# Altium PCB IPO1_V0.01.PcbDoc (part 1 of 2)
Units mm, origin at the board's own origin, x right, y up, seen from the top; angles counter-clockwise.
Board outline 149.4 x 91.43 mm, 2 copper layers (Top Layer, Bottom Layer), stack 1.671 mm thick; 235 components, 157 nets, 687 pads, 150 vias.
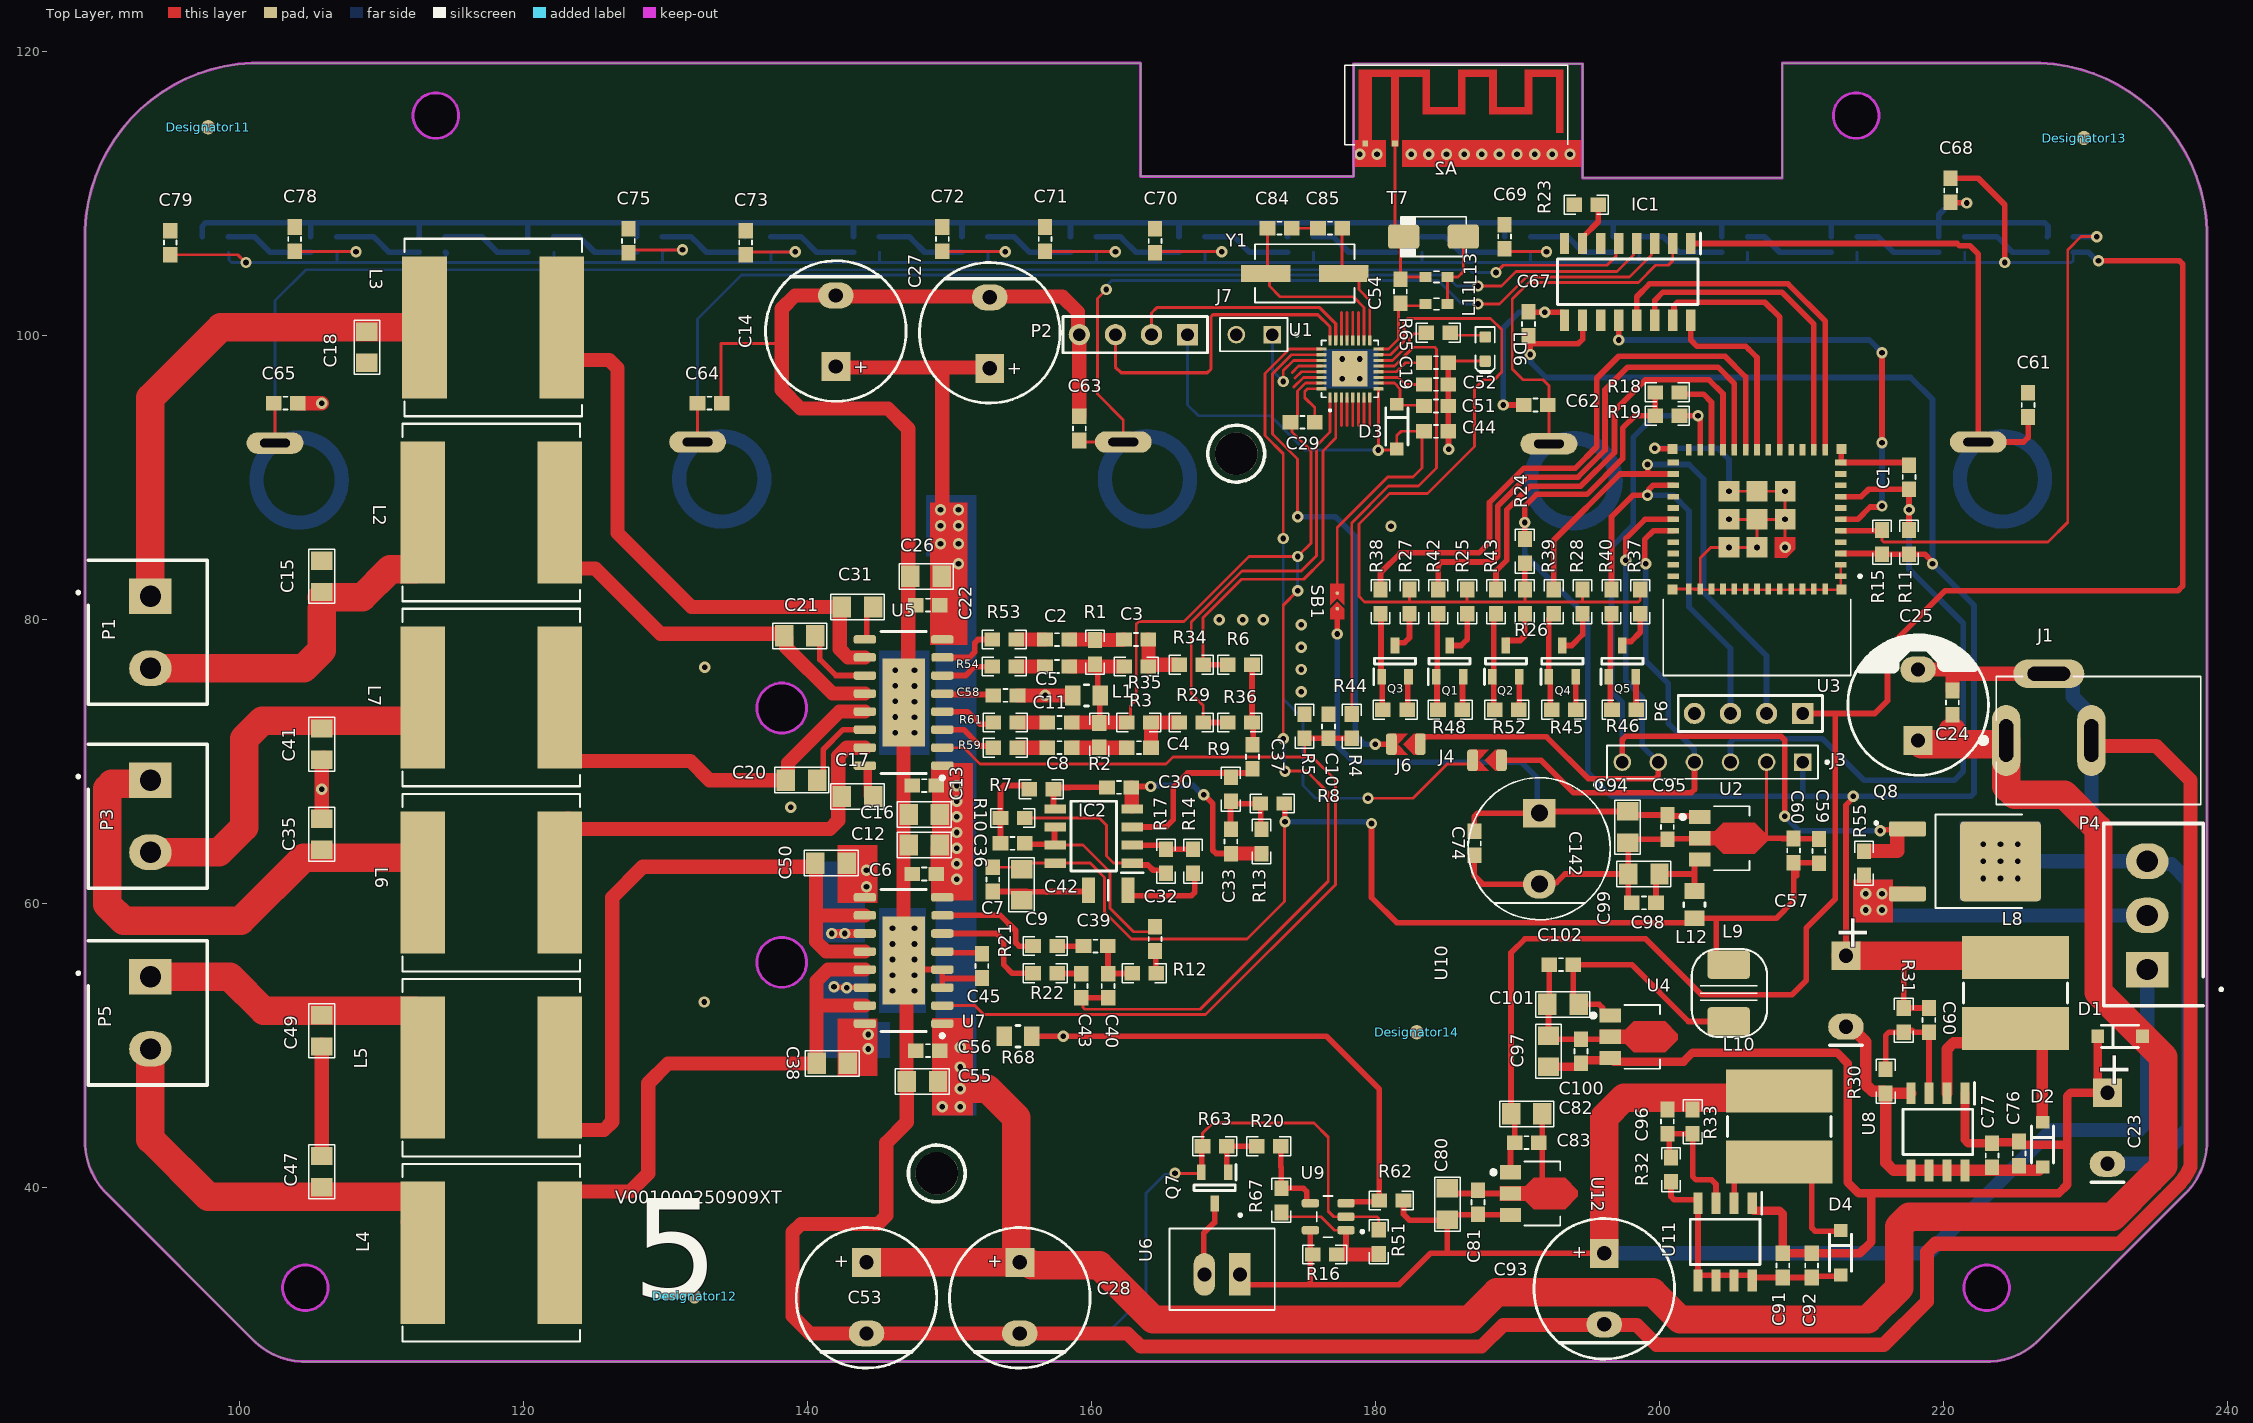
[diagram p0: Top Layer view]
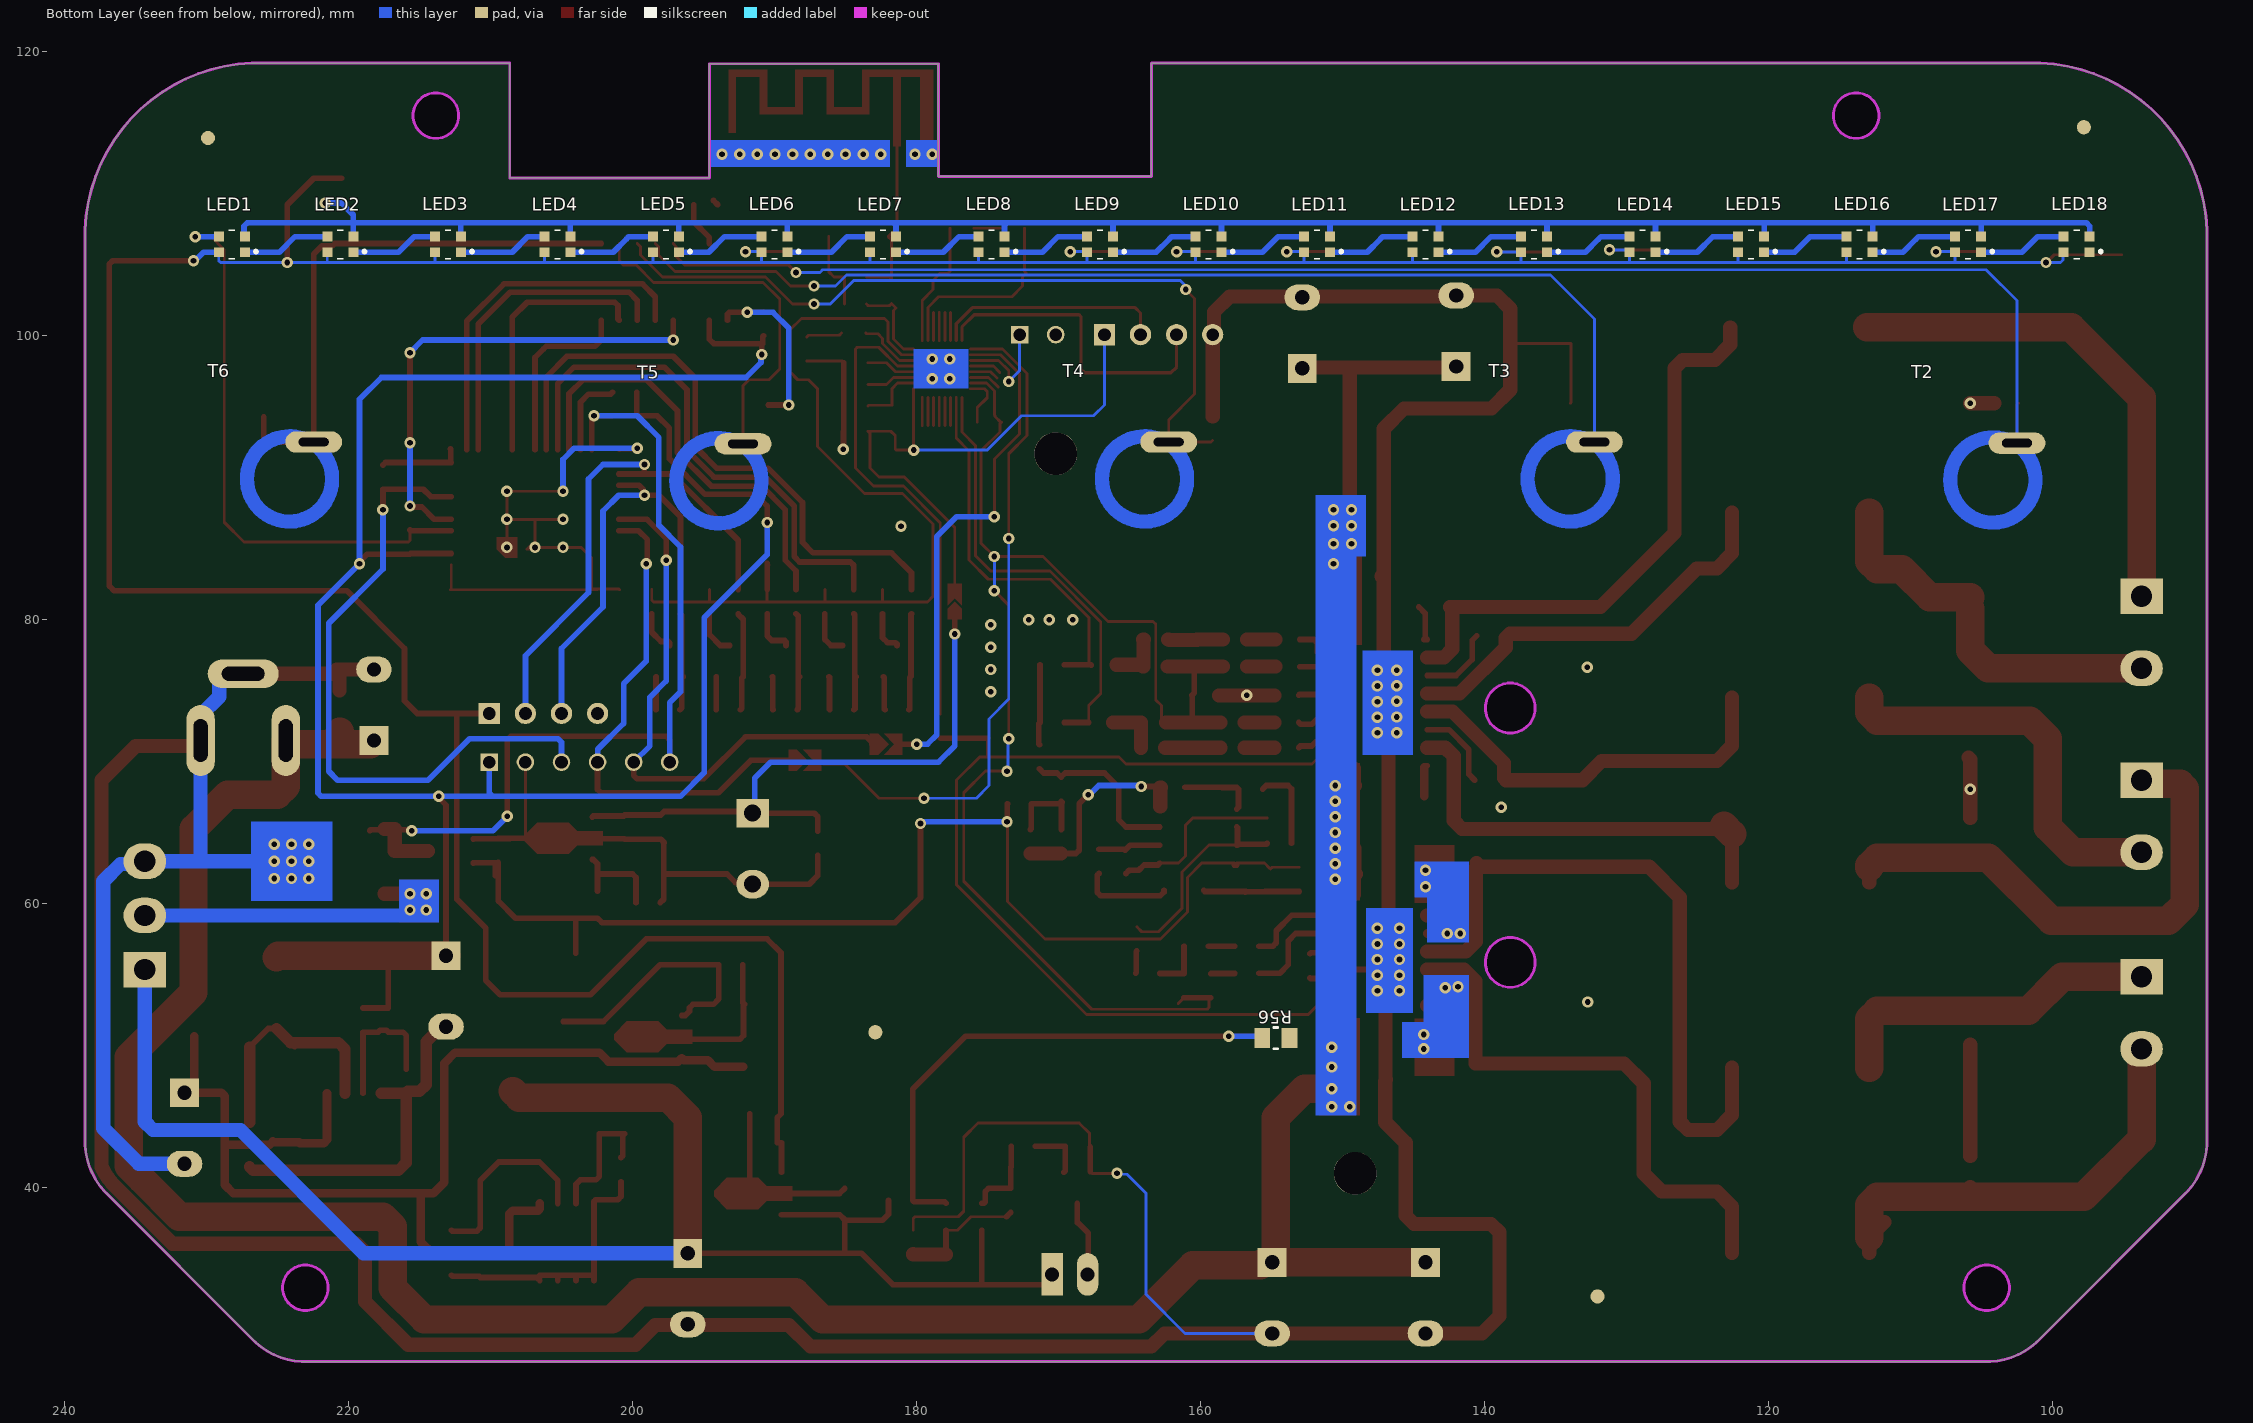
[diagram p1: Bottom Layer view, seen from below]
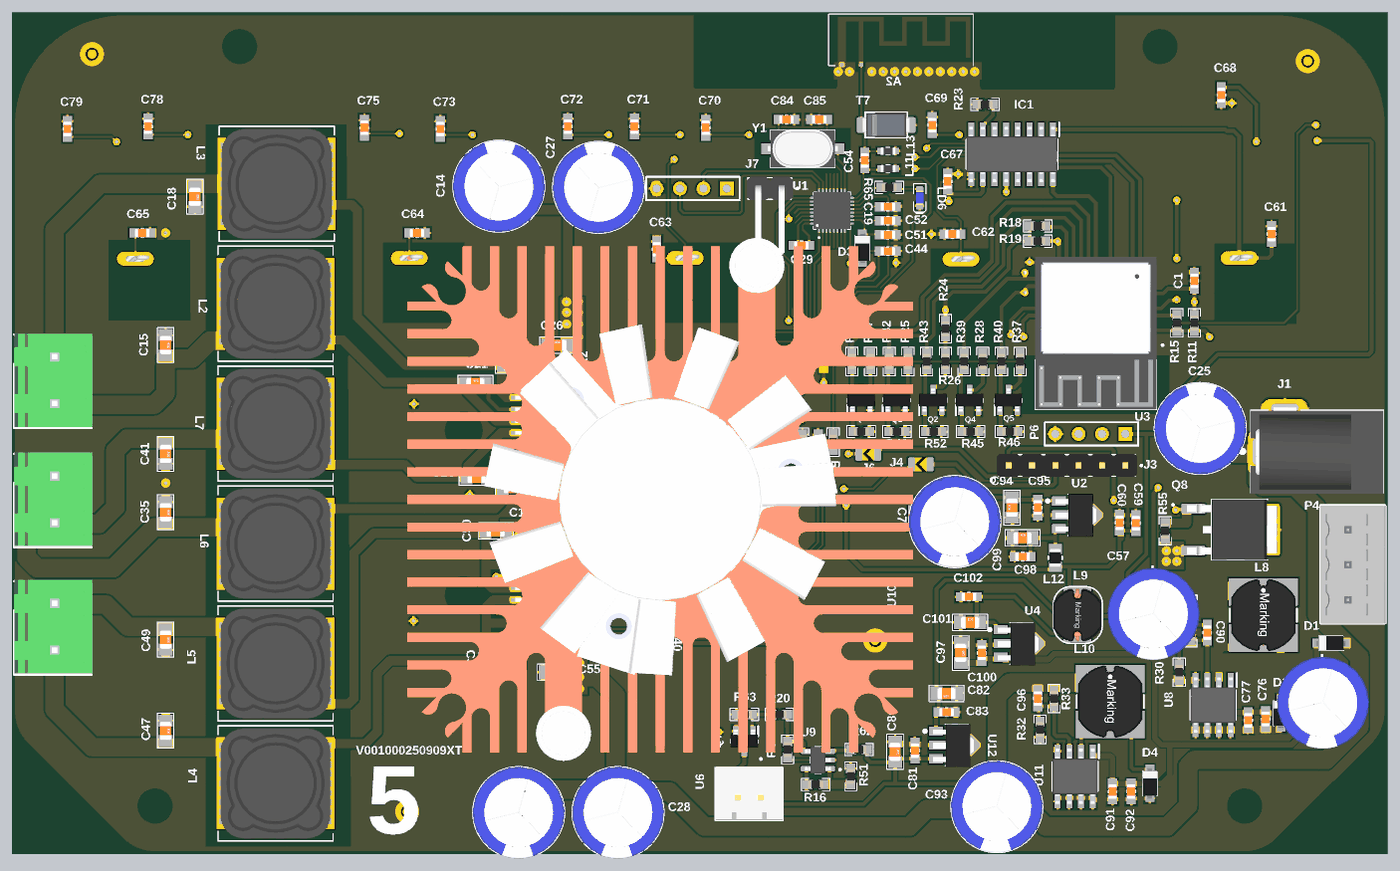
[diagram p3: 3D render of the assembled board from above, using the file's embedded part models]
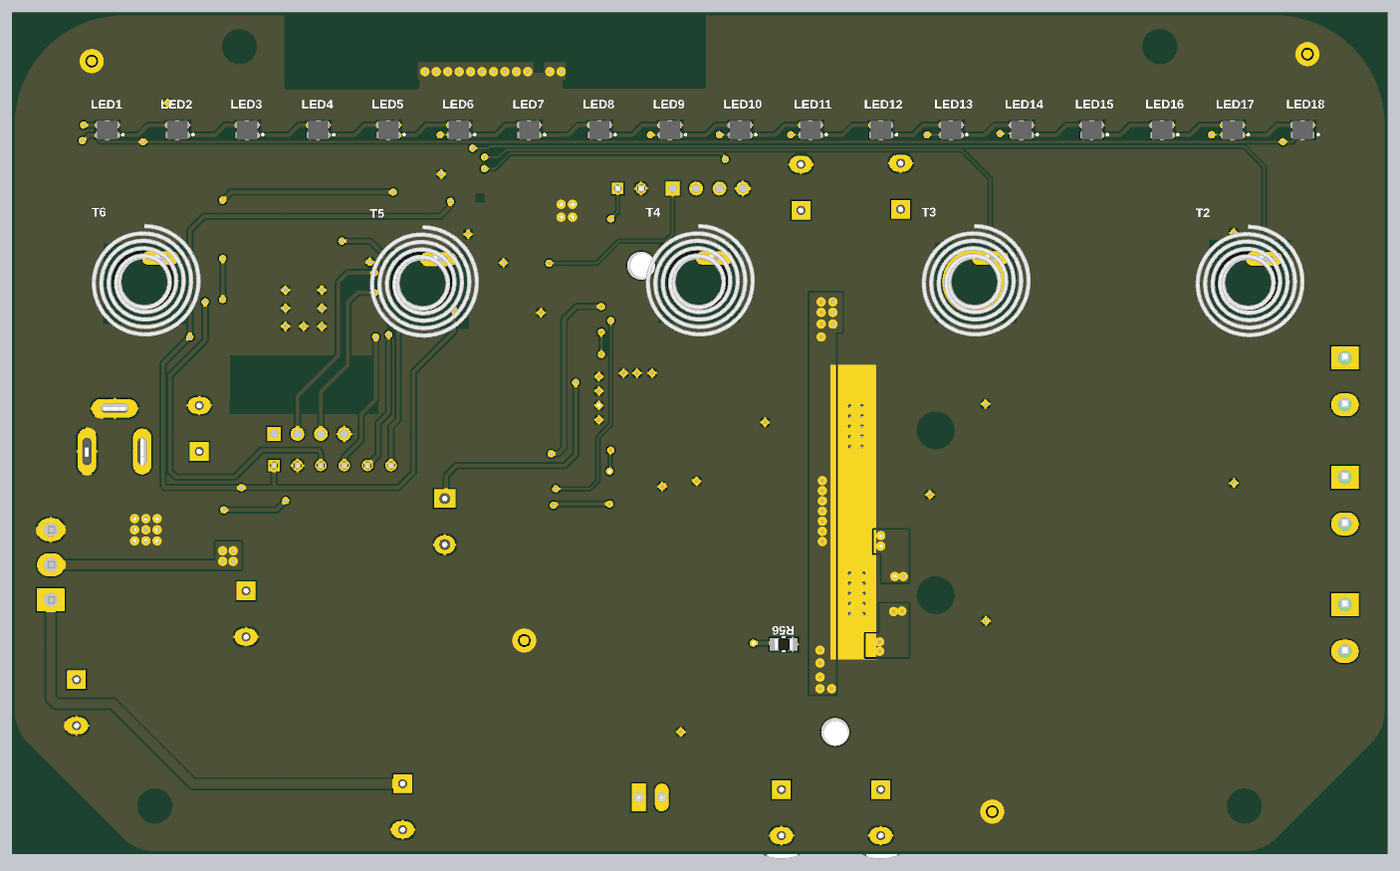
[diagram p4: 3D render of the assembled board from below, using the file's embedded part models]

## Layer stack, top to bottom
Top Solder: solder mask 0.0102, Solder Resist, Dk 3.5
Top Layer: signal copper 0.0356
Dielectric 1: dielectric 1.6, FR-4, Dk 1.6
Bottom Layer: signal copper 0.0356
Bottom Solder: solder mask 0.0102, Solder Resist, Dk 3.5

## Board outline
89.617,41.054 89.421,41.526 89.273,42.015 89.173,42.516 89.123,43.025 89.123,43.28 89.123,106.998 89.123,107.478 89.199,108.434 89.349,109.38 89.572,110.313 89.869,111.224 90.235,112.11 90.671,112.964 91.172,113.782 91.735,114.557 92.358,115.286 93.036,115.964 93.765,116.587 94.54,117.15 95.358,117.651 96.212,118.087 97.098,118.454 98.009,118.75 98.942,118.974 99.889,119.124 100.844,119.199 163.442,119.199 163.442,111.221 178.442,111.221 178.442,119.144 194.564,119.144 194.564,111.112 208.621,111.112 208.621,119.199 226.803,119.199 227.759,119.124 228.706,118.974 229.638,118.75 230.55,118.454 231.435,118.087 232.29,117.651 233.107,117.15 233.883,116.587 234.612,115.964 235.29,115.286 235.912,114.557 236.476,113.782 236.977,112.964 237.412,112.11 237.779,111.224 238.075,110.313 238.299,109.38 238.449,108.434 238.524,107.478 238.524,106.998 238.524,43.28 238.524,43.025 238.474,42.516 238.374,42.015 238.226,41.526 238.03,41.054 237.79,40.603 237.506,40.179 237.182,39.784 237.001,39.603 226.687,29.289 226.507,29.109 226.112,28.784 225.687,28.501 225.236,28.26 224.764,28.064 224.275,27.916 223.774,27.816 223.265,27.766 223.01,27.766 104.382,27.766 103.873,27.816 103.372,27.916 102.883,28.064 102.411,28.26 101.961,28.501 101.536,28.784 101.141,29.109 100.96,29.289 90.646,39.603 90.466,39.784 90.142,40.179 89.858,40.603
cut-out: 136.426,73.787 ccw(c138.176,73.787) 138.176,72.037 ccw(c138.176,73.787) 139.926,73.787 ccw(c138.176,73.787) 138.176,75.537 ccw(c138.176,73.787)
cut-out: 136.426,55.88 cw(c138.176,55.88) 138.176,57.63 cw(c138.176,55.88) 139.926,55.88 cw(c138.176,55.88) 138.176,54.13 cw(c138.176,55.88)
cut-out: 112.224,115.498 ccw(c113.824,115.498) 113.824,113.898 ccw(c113.824,115.498) 115.424,115.498 ccw(c113.824,115.498) 113.824,117.098 ccw(c113.824,115.498)
cut-out: 212.224,115.498 ccw(c213.824,115.498) 213.824,113.898 ccw(c213.824,115.498) 215.424,115.498 ccw(c213.824,115.498) 213.824,117.098 ccw(c213.824,115.498)
cut-out: 103.037,32.966 cw(c104.637,32.966) 104.637,34.566 cw(c104.637,32.966) 106.237,32.966 cw(c104.637,32.966) 104.637,31.366 cw(c104.637,32.966)
cut-out: 221.41,32.966 ccw(c223.01,32.966) 223.01,31.366 ccw(c223.01,32.966) 224.61,32.966 ccw(c223.01,32.966) 223.01,34.566 ccw(c223.01,32.966)

## Design rules (kind name [scope] priority, off if disabled: settings)
Clearance [All] p1: gap=0.2 ignorepadtopadclearanceinfootprint=FALSE except(0.18: Arc-Arc Arc-Track Arc-SMDPad Track-Track Track-SMDPad SMDPad-SMDPad)
FanoutControl Fanout_Default [All] p1: bgadir=Out bgaviamode=Centered fanoutstyle=Auto fanoutdirection=Alternating viagrid=0.025 // Fanout_Default (Default Rule)
FanoutControl Fanout_Small [(CompPinCount < 5)] p2: bgadir=Out bgaviamode=Centered fanoutstyle=Auto fanoutdirection=OutThenIn viagrid=0.025 // Fanout_Small (Default Rule)
FanoutControl Fanout_LCC [IsLCC] p4: bgadir=Out bgaviamode=Centered fanoutstyle=Auto fanoutdirection=Alternating viagrid=0.025 // Fanout_LCC (Default Rule)
FanoutControl Fanout_BGA [IsBGA] p5: bgadir=Out bgaviamode=Centered fanoutstyle=Auto fanoutdirection=Alternating viagrid=0.025 // Fanout_BGA (Default Rule)
PolygonConnect [All] p1: connectstyle=Relief reliefconductorwidth=0.254 reliefentries=4 polygonreliefangle="90 Angle" airgapwidth=0.254
RoutingVias [All] p1: holewidth=0.4 width=0.8 viastyle="Through Hole" minholewidth=0.4 minwidth=0.8 maxholewidth=0.4 maxwidth=0.8
SolderMaskExpansion [All] p1: expansion=0.102 istentingtop=FALSE
Width [All] p1: maxlimit=2 minlimit=0.2 preferedwidth=0.4
26 further rules are at their usual default settings.

## Classes and differential pairs
component class TouchORkey: C1 C61 C62 C63 C64 C65 C67 C68 C69 C70 C71 C72 C73 C75 C78 C79 IC1 J3 jc LED1 LED2 LED3 LED4 LED5 LED6 LED7 LED8 LED9 LED10 LED11 LED12 LED13 LED14 LED15 LED16 LED17 LED18 P4 P6 Q1 Q2 Q3 Q4 Q5 Q8 R11 R15 R18 R19 R23 R24 R25 R26 R27 R28 R37 R38 R39 R40 R42 R43 R44 R45 R46 R48 R52 R55 T2 T3 T4 T5 T6 U3
component class Amplifier: C2 C3 C4 C5 C6 C7 C8 C10 C11 C12 C13 C14 C15 C16 C17 C18 C20 C21 C22 C24 C25 C26 C27 C28 C30 C31 C32 C33 C35 C36 C37 C38 C39 C40 C41 C42 C43 C45 C47 C49 C50 C53 C55 C56 C58 IC2 L1 L2 L3 L4 L5 L6 L7 P1 P3 P5 Q7 R1 R2 R3 R4 R5 R6 R7 R8 R9 R10 R12 R13 R14 R16 R17 R20 R21 R22 R29 R34 R35 R36 R51 R53 R54 R56 R59 R61 R62 R63 R67 R68 U5 U6 u6 U7 U9 U10
component class POWER: C23 C57 C59 C60 C74 C76 C77 C80 C81 C82 C83 C90 C91 C92 C93 C94 C95 C96 C97 C98 C99 C100 C101 C102 C142 D1 D2 D4 J1 L8 L9 L10 L12 R30 R31 R32 R33 SB1 U2 U4 u6 U8 U11 U12
component class Bluetooth: 1 A2 C19 C29 C44 C51 C52 C54 C84 C85 D3 J4 J6 J7 L11 L13 LD6 P2 R65 T7 U1 Y1

## Components (designator, comment, footprint, x,y, rotation, side; value= is the part's Value field where it differs from the comment)
A2 "ANTENNA 2.4GHZ" "ANTENNA 2.4GHZ - TI" 181.306,113.338 r0 top
C1 "1u" cap0603 217.551,90.043 r270 top value=104
C2 "2.2u" cap0603 157.564,78.608 r180 top
C3 "100n" cap0603 163.123,78.613 r0 top value=104
C4 "100n" cap0603 163.322,70.993 r0 top value=104
C5 "2.2u" cap0603 157.564,76.708 r0 top
C6 "100n" cap0603 148.209,62.103 r180 top
C7 "100n" cap0603 153.035,61.722 r90 top
C8 "2.2u" cap0603 157.734,70.993 r0 top
C9 "10u" "CAP 0805" 155.067,61.341 r270 top value=104 (schematic designator C12)
C10 "2.2u" cap0603 176.676,72.498 r270 top value=104
C11 "2.2u" cap0603 157.734,72.771 r0 top
C12 "10u" "CAP 0805" 148.209,64.135 r0 top value=104
C13 "100n" cap0603 148.209,68.326 r180 top
C14 "1000u/25v" "CAP DIP 10*13" 141.986,100.33 r180 top
C15 "1u" "CAP 0805" 105.791,83.058 r270 top value=104
C16 "10u" "CAP 0805" 148.209,66.294 r0 top value=104
C17 "1u" "CAP 0805" 143.51,67.564 r0 top value=104
C18 "1u" "CAP 0805" 108.966,99.187 r270 top value=104
C19 "1u" cap0603 184.25,98.098 r0 top value=104
C20 "1u" "CAP 0805" 139.573,68.707 r0 top value=104
C21 "1u" "CAP 0805" 139.446,78.867 r0 top value=104
C22 "100n" cap0603 148.463,81.026 r180 top
C23 "1000u/25v" "CAP DIP 10*13" 231.521,44.196 r0 top
C24 "1u" cap0603 220.599,74.168 r90 top
C25 "1000u/25v" "CAP DIP 10*13" 218.186,74.001 r180 top
C26 "10u" "CAP 0805" 148.336,83.058 r0 top value=104
C27 "1000u/25v" "CAP DIP 10*13" 152.821,100.203 r180 top
C28 "1000u/25v" "CAP DIP 10*13" 154.94,32.258 r0 top
C29 "1u" cap0603 174.852,93.907 r180 top value=104
C30 "10n" cap0603 161.925,68.199 r180 top
C31 "1u" "CAP 0805" 143.51,80.899 r0 top value=104
C32 "470n" cap0603 164.465,57.531 r270 top
C33 "4.7u" cap0603 169.799,64.389 r90 top value=104
C35 "1u" "CAP 0805" 105.791,64.897 r270 top value=104
C36 "22n" cap0603 154.432,64.262 r180 top
C37 "4.7u" cap0603 171.323,70.358 r90 top value=104
C38 "1u" "CAP 0805" 141.732,48.768 r0 top value=104
C39 "2.2u" cap0603 160.274,57.023 r0 top
C40 "1n" cap0603 161.163,54.229 r90 top
C41 "1u" "CAP 0805" 105.791,71.247 r270 top value=104
C42 "10u" "CAP 1206" 161.163,60.96 r0 top value=104
C43 "2.2u" cap0603 159.258,54.229 r270 top
C44 "1u" cap0603 184.25,93.272 r0 top value=104
C45 "1u" cap0603 152.273,55.626 r90 top
C47 "1u" "CAP 0805" 105.791,41.148 r270 top value=104
C49 "1u" "CAP 0805" 105.791,51.054 r270 top value=104
C50 "1u" "CAP 0805" 141.648,62.865 r0 top value=104
C51 "1u" cap0603 184.25,95.05 r0 top value=104
C52 "1u" cap0603 184.25,96.574 r0 top value=104
C53 "1000u/25v" "CAP DIP 10*13" 144.145,32.258 r0 top
C54 "2.7p" cap0603 181.737,103.124 r270 top value=104
C55 "10u" "CAP 0805" 148.082,47.498 r0 top value=104
C56 "100n" cap0603 148.463,49.657 r180 top
C57 "1000u/25v" "CAP DIP 10*13" 213.106,53.848 r0 top
C58 "1u" cap0603 153.924,74.676 r180 top
C59 "100n" cap0603 211.201,63.715 r270 top value=104
C60 "100n" cap0603 209.423,63.754 r270 top value=104
C61 "1p" cap0603 225.933,95.123 r90 top value=104
C62 "1p" cap0603 191.262,95.123 r180 top value=104
C63 "1p" cap0603 159.131,93.472 r90 top value=104
C64 "1p" cap0603 133.096,95.25 r0 top value=104
C65 "1p" cap0603 103.251,95.25 r0 top value=104
C67 "100n" cap0603 190.754,100.838 r90 top value=104
C68 "100n" cap0603 220.472,110.236 r90 top value=104
C69 "100n" cap0603 189.073,106.976 r270 top value=104
C70 "100n" cap0603 164.465,106.68 r270 top value=104
C71 "100n" cap0603 156.718,106.807 r270 top value=104
C72 "100n" cap0603 149.479,106.807 r270 top value=104
C73 "100n" cap0603 135.636,106.553 r270 top value=104
C74 "1u" cap0603 186.944,64.262 r90 top value=104
C75 "100n" cap0603 127.381,106.68 r270 top value=104
C76 "100n" cap0603 225.298,42.418 r90 top value=104
C77 "100n" cap0603 223.393,42.291 r90 top value=104
C78 "100n" cap0603 103.886,106.807 r270 top value=104
C79 "100n" cap0603 95.123,106.553 r270 top value=104
C80 "10u" "CAP 0805" 185.039,38.862 r270 top value=104
C81 "100n" cap0603 187.198,38.989 r270 top value=104
C82 "10u" "CAP 0805" 190.627,45.212 r180 top value=104
C83 "100n" cap0603 190.627,43.18 r180 top value=104
C84 "NC" cap0603 173.228,107.569 r0 top value=104
C85 "NC" cap0603 176.784,107.569 r180 top value=104
C90 "100n" cap0603 218.948,51.816 r270 top value=104
C91 "100n" cap0603 208.661,34.544 r90 top value=104
C92 "100n" cap0603 210.693,34.544 r90 top value=104
C93 "1000u/25v" "CAP DIP 10*13" 196.088,32.893 r0 top
C94 "10u" "CAP 0805" 197.739,65.405 r90 top value=104
C95 "100n" cap0603 200.533,65.405 r90 top value=104
C96 "100n" cap0603 200.533,44.665 r270 top value=104
C97 "10u" "CAP 0805" 192.166,49.619 r270 top value=104
C98 "100n" cap0603 198.882,60.071 r0 top value=104
C99 "10u" "CAP 0805" 198.882,62.103 r0 top value=104
C100 "100n" cap0603 194.452,49.619 r270 top value=104
C101 "10u" "CAP 0805" 193.182,52.921 r0 top value=104
C102 "100n" cap0603 193.055,55.715 r0 top value=104
C142 "1000U" "cap  dip 10*20" 191.516,63.881 r270 top
D1 "1N5819(SOD123)" "1N5819 SOD-123" 232.41,50.673 r0 top
D2 "1N5819(SOD123)" "1N5819 SOD-123" 226.949,43.053 r270 top
D3 "1N4148" "1N4148 SOD-123" 181.483,93.599 r90 top
D4 "1N5819(SOD123)" "1N5819 SOD-123" 212.725,35.433 r270 top
Designator11 "Comment" Fiducial-2layer 97.79,114.681 r0 top
Designator12 "Comment" Fiducial-2layer 132.037,32.358 r0 top
Designator13 "Comment" Fiducial-2layer 229.87,113.919 r0 top
Designator14 "Comment" Fiducial-2layer 182.879,50.956 r0 top
IC1 "BS816A-1" BS816A-1 197.739,103.792 r270 top
IC2 "RC4558DR" RC4558 160.147,64.77 r180 top
J1 "Power jack" "Power jack" 230.886,71.501 r0 top
J3 "NC" "pin header1*6" 210.058,69.977 r180 top
J4 "SOLDERJUMPER" SOLDERJUMPER_ARROW_NOPASTE 187.833,70.104 r180 top
J6 "SOLDERJUMPER" SOLDERJUMPER_ARROW_NOPASTE 182.118,71.247 r180 top
J7 "pin header 1X2" "pin header R 1*2" 172.72,100.076 r180 top
L1 "Ferrite-0805" Ferrite-0805 159.639,74.676 r180 top
L2 "10uH, 12*12" "inductor 12*12" 117.729,87.554 r0 top
L3 "10uH, 12*12" "inductor 12*12" 117.856,100.584 r0 top
L4 "10uH, 12*12" "inductor 12*12" 117.729,35.433 r0 top
L5 "10uH, 12*12" "inductor 12*12" 117.729,48.463 r0 top
L6 "10uH, 12*12" "inductor 12*12" 117.729,61.493 r0 top
L7 "10uH, 12*12" "inductor 12*12" 117.729,74.524 r0 top
L8 "33uH, 8*7" "Inductor 8*7" 225.044,53.721 r270 top
L9 "33uH, 5.3*6.3" "Inductor SMD 5.3x6.3mm" 204.851,53.721 r270 top
L10 "33uH, 8*7" "Inductor 8*7" 208.407,44.323 r270 top
L11 "NC" "inductor 0603" 184.277,102.235 r0 top
L12 "Ferrite-0805" Ferrite-0805 202.438,59.944 r90 top
L13 "NC" "inductor 0603" 184.277,104.14 r0 top
LD6 "LED, White" LED-0603-BLUE 187.706,99.06 r270 top
LED1 "WS2812-2020" WS28122020 228.192,106.426 r180 bottom
LED2 "WS2812-2020" WS28122020 220.551,106.426 r180 bottom
LED3 "WS2812-2020" WS28122020 212.979,106.426 r180 bottom
LED4 "WS2812-2020" WS28122020 205.269,106.426 r180 bottom
LED5 "WS2812-2020" WS28122020 197.628,106.426 r180 bottom
LED6 "WS2812-2020" WS28122020 189.988,106.426 r180 bottom
LED7 "WS2812-2020" WS28122020 182.347,106.426 r180 bottom
LED8 "WS2812-2020" WS28122020 174.706,106.426 r180 bottom
LED9 "WS2812-2020" WS28122020 167.065,106.426 r180 bottom
LED10 "WS2812-2020" WS28122020 159.424,106.426 r180 bottom
LED11 "WS2812-2020" WS28122020 151.783,106.426 r180 bottom
LED12 "WS2812-2020" WS28122020 144.142,106.426 r180 bottom
LED13 "WS2812-2020" WS28122020 136.501,106.426 r180 bottom
LED14 "WS2812-2020" WS28122020 128.861,106.426 r180 bottom
LED15 "WS2812-2020" WS28122020 121.22,106.426 r180 bottom
LED16 "WS2812-2020" WS28122020 113.579,106.426 r180 bottom
LED17 "WS2812-2020" WS28122020 105.938,106.426 r180 bottom
LED18 "WS2812-2020" WS28122020 98.297,106.426 r180 bottom
P1 "Header 2" CONN-PHOENIX-5.08 93.726,79.248 r270 top